# Altium PCB C210_220601.PcbDoc (part 4 of 7) (continued)
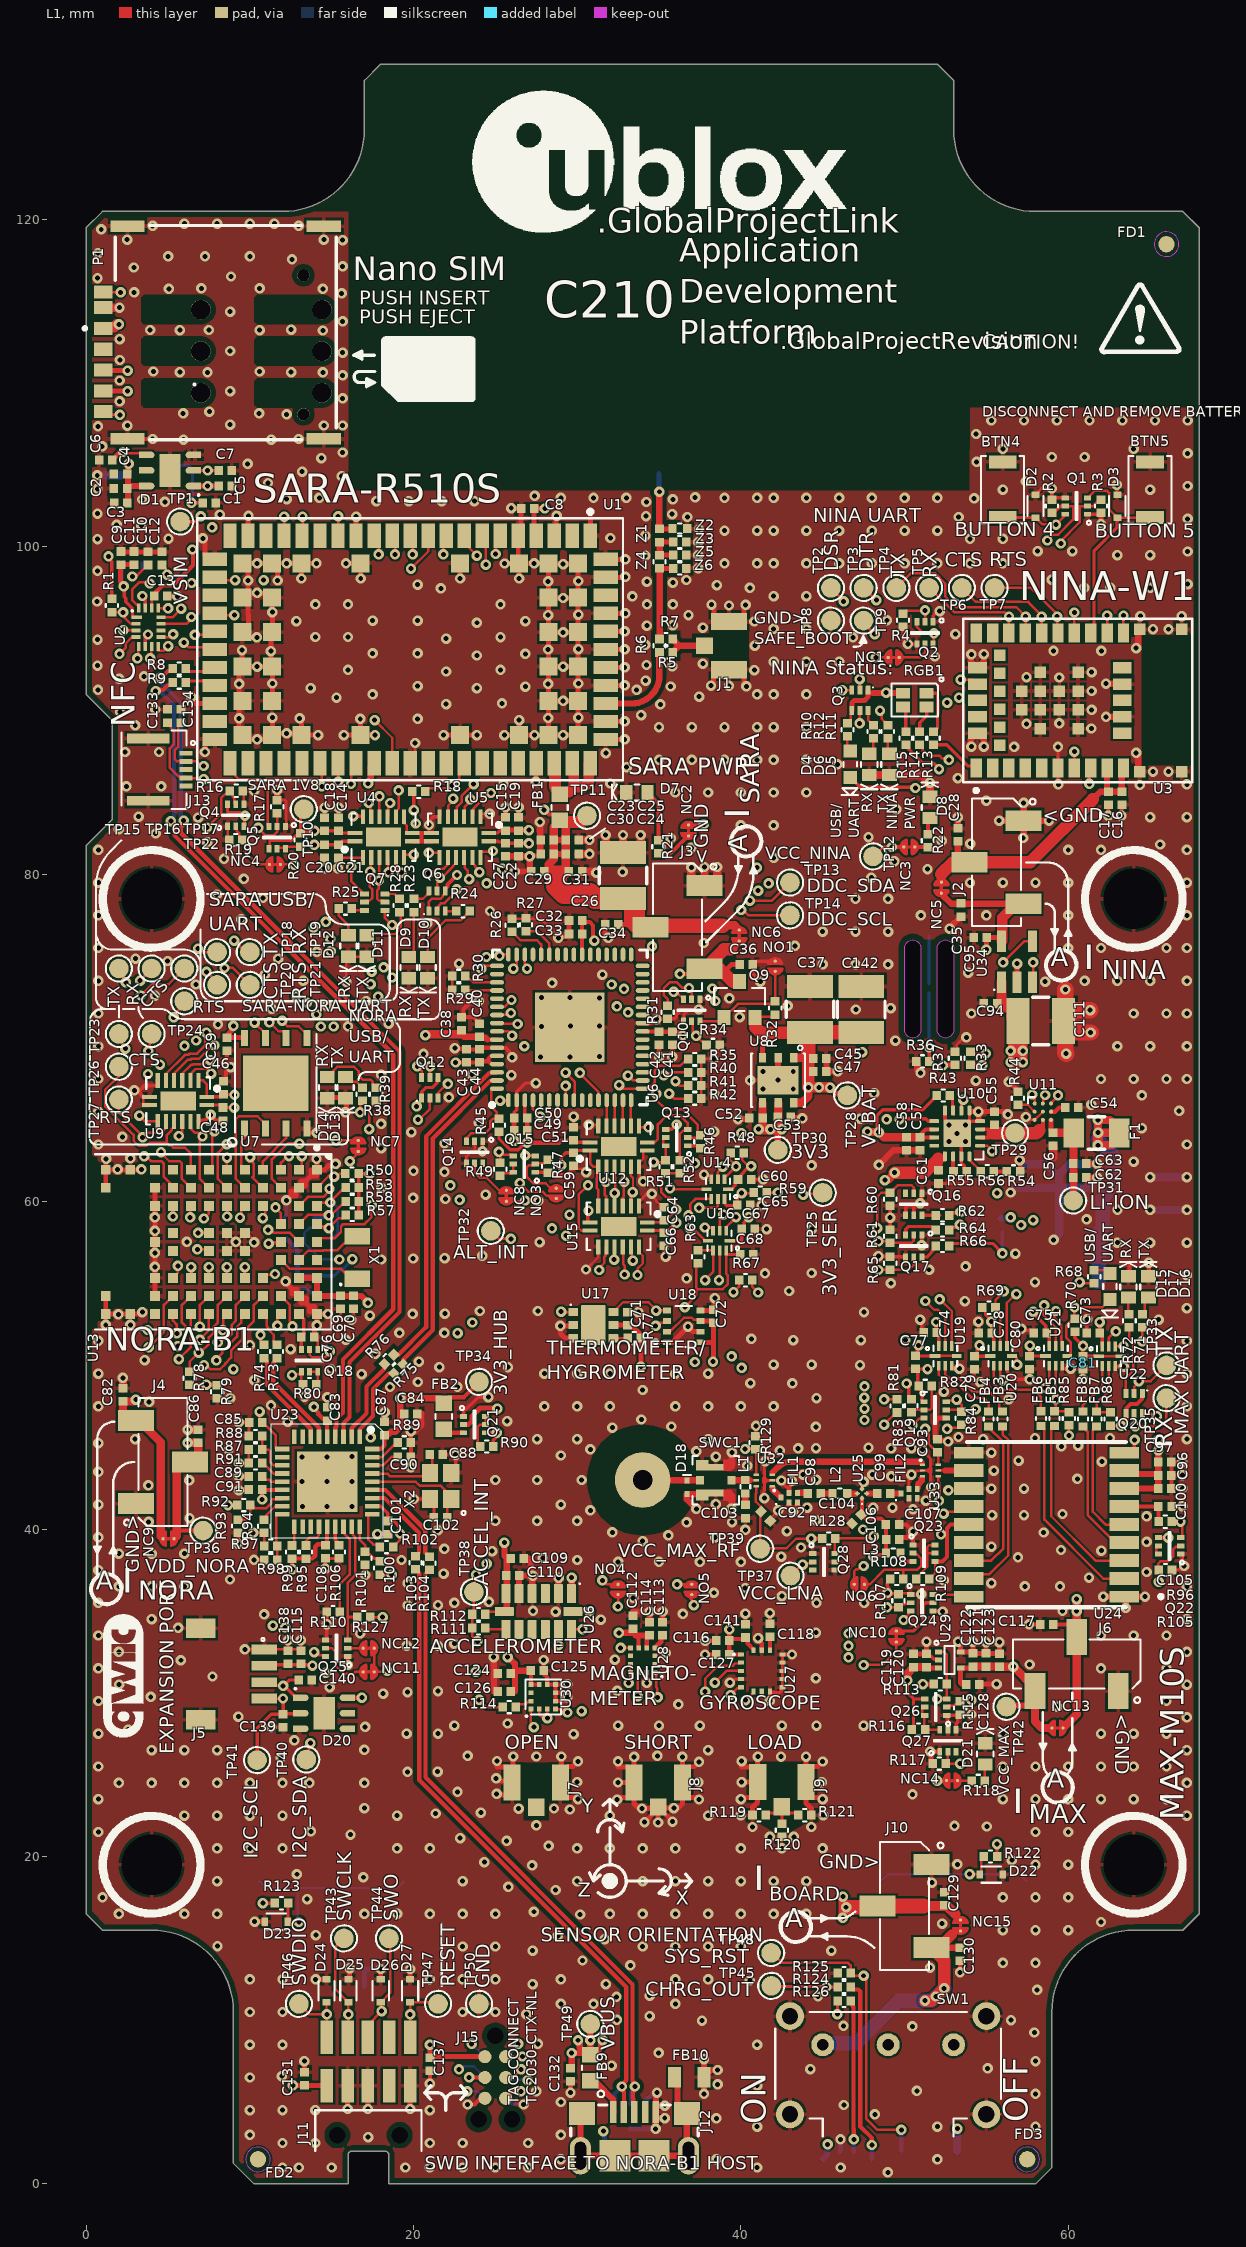
[diagram p0: L1 view]
## Nets (pads, with @x,y where several pads share a name; then routed paths per layer and width w, separated by ;. In a path a pad name is that pad's centre, name@x,y a point inside that pad or via, vN(x,y) a via of type N, cw(c..) or ccw(c..) an arc to the next point about the centre after c; other vN are vias at no path point) (continued)
  L1 w0.381: R17.1@11.672,84.525 v1(11.672,85.154) ; C87.2@18.239,46.548 v1(18.239,47.151) ; v1(19.836,45.982) 20.082,45.982 20.489,46.389 C84.2@20.489,47.047 ; C126.2@24.896,30.075 v1(24.896,32.175) ; C27.2@25.622,81.1 C22.1@26.422,81.1 v1(27.097,81.1) C29.2@27.097,80.397 ; v1(26.197,80.175) 26.875,80.175 ; U26.5@26.45,36.065 26.45,37.142 C110.2@26.475,37.167 v1@27.283,37.167 ; C109.2@27,38.217 27.15,38.067 27.15,37.3 v1@27.283,37.167 ; U26.4@27.25,36.065 27.25,37.1 v1(27.3,37.15) v1@27.283,37.167 ; C30.2@27.75,81.25 v1@27.75,83.172 ; U26.2@28.85,36.065 28.85,37.008 v1(28.871,37.029) ; C112.1@33.419,34.967 v1(34.425,34.967) ; C114.1@34.415,34.309 34.425,34.319 v1(34.425,34.967) ; v1@34.8,3.372 J12.5@34.8,4.395 J12.5@34.8,4.775 ; J12.5@34.825,4 34.841,4.016 v1(35.35,4.016) ; v1(34.875,5.571) 34.875,5.502 34.81,5.437 34.81,4.784 J12.5@34.8,4.775 ; C113.1@35.219,34.309 v1(35.219,34.967) v1(34.425,34.967) ; v1(35.35,4.775) J12.5@34.8,4.775 ; v1(37.275,41.242) 36.7,41.817 D18.2@36.7,42.134 37.583,42.134 SWC1.G@37.645,42.072 ; v1(37.75,5.495) FB10.2@37.75,6.525 ; v1(37.75,7.625) FB10.2@37.75,6.525 ; v1(38.58,6.96) 38.185,6.96 FB10.2@37.75,6.525 ; v1(39.825,65.051) 40.451,65.051 C52.2@40.525,65.125 ; v1(42.275,67.425) U8.2@42.275,68.8 ; C53.1@43.057,65.173 43.131,65.099 v1(43.757,65.099) ; C47.2@45.225,67.961 C47.2@45.235,67.971 ; C45.1@45.225,68.764 45.225,67.981 C47.2@45.235,67.971 ; v1(45.911,67.971) C47.2@45.235,67.971 ; v1(48.432,62.25) 48.45,62.25 48.45,62.268 49.322,63.14 C57.2@50.94,63.14 ; R36.1@50.7,68.575 50.772,68.503 50.772,68.072 v1(50.972,67.871) ; v1(52.75,76.68) 52.799,76.728 52.799,76.799 53.421,77.421 C35.2@53.436,77.421 ; C28.2@53.25,82.825 v1(53.25,83.5) ; v1(54.075,87.8) 54.05,87.825 54.05,88.225 U3.30@54.45,88.625 54.847,88.228 v1(54.847,87.8) ; v1(54.078,93.447) 54.05,93.418 54.05,93.025 U3.26@54.45,92.625 54.847,93.022 v1(54.847,93.45) ; v1(55.775,83.281) J2.1@57.275,83.281 ; v1(57.25,82.225) 57.275,82.25 J2.1@57.275,83.281 ; v1(57.275,84.375) J2.1@57.275,83.281 ; v1(58.825,83.281) J2.1@57.275,83.281 ; C62.1@61.1,61.475 61.764,61.475 v1(61.769,61.48) ; C63.2@61.1,62.325 v1(61.762,62.325) ; v1(62.138,35.879) v1(64.688,35.879) ; v1(62.309,89.625) U3.12@63.3,89.625 ; v1(62.309,91.652) 63.273,91.652 U3.14@63.3,91.625 ; U24.1@63.413,35.879 63.513,35.779 v1(63.513,35.179) ; v1(64.15,87.425) 64.275,87.3 64.275,86.375 U3.EG@64.375,86.275 ; v1(64.15,93.825) 64.275,93.95 64.275,94.875 U3.EG@64.375,94.975
  L1 w0.391: v1@39.45,41.145 39.45,42.031 ; 39.45,43.802 39.45,44.685 v1(39.452,44.687)
  L1 w0.508: P1.C5@1.045,114.62 v1(2.042,114.62) ; C82.2@2.25,48.6 v1(2.25,49.246) ; v1(6.2,46.075) C86.2@6.85,46.075 ; C24.2@30.1,81.25 v1(30.75,81.25) ; C25.1@30.1,82.1 v1(30.75,82.1) ; C31.2@30.297,80.175 31.1,80.175 v1(31.175,80.1) ; v1(31.738,82.404) 31.738,81.716 32.124,81.33 C26.1@32.797,81.33 ; v1(32.797,82.404) C26.1@32.797,81.33 ; v1(33.875,82.404) 33.875,81.848 33.357,81.33 C26.1@32.797,81.33 ; v1(36.975,80.425) 36.975,79.648 37.308,79.315 J3.1@37.775,79.315 ; v1(37.775,80.45) J3.1@37.775,79.315 ; v1(38.55,80.45) 38.55,79.508 38.575,79.483 38.407,79.315 J3.1@37.775,79.315 ; D6.C@47.825,86.075 48.95,86.075 D5.C@48.975,86.1 ; D5.C@48.975,86.075 51.075,86.075 v1(51.55,85.6) D8.C@51.55,84.75 ; 59.075,62.7 C56.1@59.075,63.425
  L1 w1: v1(59.825,72.965) C111.2@59.825,71.143 ; v1(59.871,69.047) 59.825,69.093 C111.2@59.825,70.933 ; v1(61.338,71.702) 60.384,71.702 C111.2@59.825,71.143 ; v1(61.364,70.337) 60.421,70.337 C111.2@59.825,70.933 ; C111.2@59.825,70.933 C111.2@59.825,71.143 ; C111.2@59.825,70.933 C111.2@59.72,71.038 C111.2@59.825,71.143
  L6 w0.15: ESIM.EPAD@4.025,101.7 5.035,100.69 v1(5.035,100.505)
  L6 w0.203: U31.3@12.1,59.05 12.231,59.181 v1(12.231,60.081) ; v1(12.185,55.132) 12.185,55.11 12.57,54.725 C136.2@12.95,54.725 13.475,54.725 C135.2@14.025,54.175 ; D29.2@46.05,1.95 D29.2@46.1,1.9 ; RT1.2@51.493,73.325 51.493,76.259
  L6 w0.254: J17.5@25.63,5.25 25.684,5.25 26.009,4.925 26.65,4.925 v1(26.725,4.85)
  L6 w0.305: v1(16.096,13.175) 16.915,13.175 17,13.09 17,13.05 ; 17,12.05 17,13.05 ; v1(18,13.125) 17.075,13.125 17,13.05 ; D28.EPAD@33.225,3.375 33.234,3.366 v1(34.794,3.366) ; D28.3@34.175,4.525 D28.3@34.175,4.9 34.175,5.075 34.608,5.508 34.812,5.508 v1(34.875,5.571) ; D29.2@46.05,1.95 46.084,1.984 v1(46.084,2.725)
  L6 w0.508: v1(0.681,104.375) ESIM.1@2.12,104.375 ; v1(56.485,60.567) 56.769,60.85 J14.MH1@59.45,60.85 ; v1(57.029,62.541) 57.27,62.3 58.643,62.3 59.45,61.493 J14.MH1@59.45,60.85 ; v1(59.113,57.671) 59.45,58.008 J14.MH1@59.45,60.85 ; v1(61.762,62.325) 61.737,62.3 60.043,62.3 59.45,61.707 J14.MH1@59.45,60.85 ; v1(61.769,61.48) 61.139,60.85 J14.MH1@59.45,60.85 ; v1(65,59.5) v1(67.25,59.5) ; v1(65,61.5) v1(67.25,61.5)
  other v1: 48.975,0.7 12,1 13,1 15,1 19.5,1 21,1 23,1 25,1 27,1 41,1 46.1,1 29,1.5 38.5,1.5 52,1.5 12,2.5 14,2.5 21,2.5 23,2.5 27,2.5 17.225,2.85 10,3 29,3 41,3.5 52,3.5 58,3.5 38.5,4 48.183,4.252 10,4.5 12,4.5 14,4.5 21,4.5 46.291,4.82 29,5 58,5.5 27.503,5.655 50.75,5.689 41,6 38.58,6.075 10,6.5 11.961,6.578 44.25,7.009 55.075,7.062 32.1,7.225 58,7.5 34.975,8 10,8.5 12,8.5 41,8.5 27.6,8.55 57.928,9.25 50.48,9.623 46.269,9.65 37.625,9.975 56.5,10 32.425,10.025 34.425,10.25 26.9,10.375 10,10.5 12,10.5 23,10.5 25,10.5 29,11 31,11 36,11 32.4,11.425 44.713,11.446 34.425,11.5 58.1,11.85 27.275,12.2 31.752,12.2 40.55,12.425 10,12.5 12,12.5 21,12.5 23,12.5 25,12.5 29,12.5 36,12.5 38,12.5 51.556,13.216 33.25,13.35 56,13.5 58,13.5 30.325,13.65 27.275,14.25 45.525,14.25 23,14.5 25,14.5 34,14.5 36,14.5 38,14.5 40,14.5 8.025,14.525 31.686,14.955 28.825,15.15 14.03,15.2 56,15.5 58,15.5 60,15.5 52.3,15.9 62,16 30.186,16.455 2,16.5 6,16.5 8,16.5 17,16.5 19,16.5 21,16.5 23,16.5 25,16.5 32,16.5 34,16.5 36,16.5 38,16.5 40,16.5 42,16.5 44,16.5 27.35,16.625 13.5,17.394 1,17.5 56,17.5 58,17.5 60,17.5 28.686,17.955 25.799,18.151 51.675,18.4 8,18.5 23,18.5 30,18.5 32,18.5 34,18.5 36,18.5 38,18.5 40,18.5 42,18.5 44,18.5 16.933,18.733 12.875,18.916 27.254,19.455 58,19.5 60,19.5 53.225,19.525 24.325,19.65 56.55,19.779 8,20.5 10,20.5 12,20.5 19,20.5 21,20.5 30,20.5 32,20.5 34,20.5 36,20.5 40,20.5 42.5,20.5 45,20.5 28.254,20.65 25.686,20.955 22.85,21.125 41.775,21.201 43.242,21.201 16.152,21.332 0.75,21.5 58,21.5 60,21.5 13.727,21.54 40.71,21.8 44.305,21.8 55.025,21.834 27.503,21.9 6,22.5 8,22.5 10,22.5 12,22.5 19,22.5 32,22.5 38,22.5 67.25,22.5 40,22.526 45.035,22.526 21.356,22.625 24.114,22.685 29.55,22.875 26.425,22.925 28.585,22.935 17,22.957 0.75,23.5 56,23.5 58,23.5 60,23.5 62,23.5 64,23.5 66,23.5 50.485,23.8 22.686,23.955 2,24.5 4,24.5 6,24.5 8,24.5 10,24.5 12,24.5 13.638,24.5 17,24.5 67.25,24.5 37.395,24.527 44.95,24.543 30.003,24.55 19.631,25.17 21.475,25.183 0.75,25.5 56,25.5 58,25.5 60,25.5 62,25.5 64,25.5 66,25.5 11.9,26.025 27.503,26.109 42.45,26.102 23.314,26.145 34.898,26.145 4,26.5 6,26.5 8,26.5 38,26.5 67.25,26.5 17,26.517 12.72,27.1 29.79,27.475 0.75,27.5 19.585,27.5 21.499,27.5 56,27.5 62,27.5 64,27.5 66,27.5 2.573,27.756 11.302,27.9 17.05,27.925 22.5,28 32.5,28 35,28 37.5,28 42.5,28 44.619,28 47.502,28 25.75,28.125 67.25,28.5 9.301,28.542 59.323,29.15 36.175,29.3 0.75,29.5 66,29.5 3.949,29.75 18.147,29.95 19.631,30.036 21.5,30.1 32.45,30.125 14.882,30.34 2.024,30.509 67.25,30.5 44.577,30.89 7.72,30.995 0.75,31.5 62,31.5 66,31.5 57.643,31.731 5.791,31.989 32.3,32.025 35.428,32.434 2,32.5 67.25,32.5 19.585,32.869 21.5,32.869 22.5,33 0.75,33.5 62,33.5 64,33.5 66,33.5 16.746,33.627 44.585,33.678 5.617,33.974 31.45,34.475 4,34.5 67.25,34.5 10.875,34.789 36.45,34.825 28.686,34.953 27.3,35.009 54.05,35 59.648,35.004 19.631,35.353 21.5,35.357 0.75,35.5 22.5,35.5 44.619,35.5 47.526,35.5 24.608,35.559 33.425,35.8 42.5,35.9 51.025,36.025 38.355,36.113 40.266,36.404 2,36.5 4,36.5 6,36.5 57.35,36.5 59.498,36.5 67.25,36.5 19.631,36.693 55.3,36.7 52.395,36.868 8.788,36.925 61.265,37.041 17.05,37.197 21.84,37.275 64.791,37.381 0.75,37.5 32.5,38 35,38 37.5,38 40,38 19.265,38.116 30.004,38.116 27.9,38.234 56.929,38.275 42.467,38.322 2,38.5 4,38.5 6,38.5 24.809,38.65 62.017,38.689 59.555,38.725 21.883,38.8 43.676,38.879 55.3,38.925 64.791,39.221 34,39.261 0.75,39.5 38.425,39.5 35.575,39.619 32.148,39.802 58.501,39.791 42.813,39.876 21.475,39.925 40.275,39.961 47.464,39.976 36.682,40.41 39.456,40.426 3.825,40.45 25,40.5 27.558,40.5 30,40.5 44.6,40.552 6.315,40.673 64.791,40.775 55.354,40.854 57.296,40.854 59.646,40.925 30.802,41.148 50.513,41.214 39.419,41.242 48.086,41.309 49.262,41.309 14.729,41.378 0.75,41.5 29,41.5 38.475,41.525 51.305,41.737 52.675,42.375 55.3,42.475 57.296,42.475 3.8,42.675 13.2,42.897 16.25,42.921 6.3,42.975 25,43 27.558,43 30.275,43 44.6,43.025 60.559,43.075 49.187,43.222 43.8,43.333 48.027,43.333 0.75,43.5 55.45,43.575 40.379,43.862 62.05,44.125 41.492,44.148 56.968,44.179 14.725,44.417 38.47,44.431 29,44.5 55.3,44.675 37.275,44.75 42.378,44.79 8.7,44.85 30.802,44.869 43.505,44.933 44.59,44.943 49.178,44.933 50.42,44.943 47.8,44.975 59.575,45.058 60.607,45.1 0.75,45.25 3,45.5 27.558,45.5 30,45.5 38,45.5 54.8,45.5 67.25,45.5 57.968,45.568 62.55,45.568 53.298,45.631 32.148,46.198 44.575,46.25 35.75,46.272 12.31,46.554 25.725,46.6 33.925,46.698 0.75,47.5 28,47.5 30,47.5 32,47.5 36,47.5 38,47.5 40,47.5 42,47.5 67.25,47.5 11.296,47.563 3.85,47.775 56.373,47.929 44.619,48 13.339,48.092 52.4,48.4 34,48.5 18.566,48.685 22.686,48.686 43.141,48.901 40.576,48.917 20.262,48.991 10.281,49.097 16.83,49.474 0.75,49.5 28,49.5 30,49.5 32,49.5 36,49.5 38,49.5 67.25,49.5 14.961,49.776 21.575,49.9 25.775,49.9 47.279,50.017 42,50.05 44.325,50.05 20.331,50.236 3.575,50.325 17.654,50.703 12.5,50.992 10,51.245 0.75,51.5 67.25,51.5 43.2,51.54 47.336,51.541 15.855,51.57 40.645,51.619 19.139,51.993 21.883,51.987 2.7,52.475 65.525,52.797 17.331,53.038 1.975,53.125 19.945,53.15 21.921,53.162 47.52,53.25 24.05,53.325 27.6,53.325 67.25,53.5 53.688,53.93 42.95,54.55 49.164,55.021 57.968,55.085 36.682,55.321 67.25,55.5 41.475,55.625 44.325,55.65 51.504,55.846 4.204,56.025 53.729,56.058 18.025,56.475 19.975,56.536 21.903,56.556 24.204,56.69 56.772,56.824 4.204,56.875 63,57.5 65,57.5 67.25,57.5 27.702,57.529 6.15,57.55 4.204,58.225 41.575,58.325 44.333,58.321 61.129,58.925 49.125,59.029 4.204,59.05 63.012,59.5 41.275,59.775 27.627,60.052 21.95,60.169 19.979,60.234 24.403,60.437 18.025,60.852 21.891,61.831 30.547,61.814 19.998,61.883 1.925,61.975 44.329,62.221 64,62.45 2.7,62.65 18.022,63.276 0.75,63.5 67.25,63.5 21.898,63.56 52.725,63.675 53.725,63.675 2.215,63.96 19.873,64.25 38.373,64.281 64.5,64.5 18.026,64.759 23.992,64.817 47.304,65.074 29.788,65.201 0.734,65.488 66.775,65.55 61.416,65.925 22.156,66.378 64.5,66.5 38.388,66.614 48.142,66.621 41.35,66.875 43.2,66.875 40.562,67.421 54.353,67.404 0.75,67.5 62,67.5 64,67.5 66,67.5 67.25,67.5 18.025,67.752 25.976,67.739 23.568,67.766 41.35,67.961 43.2,67.961 27.75,68.85 29.55,68.85 31.35,68.864 20.609,69.035 0.75,69.5 63,69.5 65,69.5 67.25,69.5 49.437,69.843 15.999,70.721 27.821,70.719 29.595,70.724 31.358,70.724 8.06,70.84 18.48,70.878 39.928,71.272 0.75,71.5 54.075,71.5 64,71.5 66,71.5 67.25,71.5 47.029,71.748 11.337,71.79 49.155,71.828 14.699,71.967 42.86,71.972 17.108,72.25 39.295,72.421 27.821,72.465 29.575,72.465 31.358,72.458 4.206,72.596 6.706,73.271 28.475,73.375 58.588,73.45 0.75,73.5 13.257,73.501 61,73.5 63,73.5 65,73.5 67.25,73.5 10.924,73.87 31.539,73.87 53.887,74 45,74.5 47,74.5 49,74.5 22.781,74.545 4.984,74.708 3.015,74.849 11.735,74.85 14.091,75.266 0.75,75.5 60,75.5 62,75.5 66,75.5 67.25,75.5 43.3,75.631 37.744,75.809 45,76.5 47,76.5 49,76.5 20.85,77.005 9.475,77.25 0.75,77.5 51,77.5 55,77.5 60,77.5 67.25,77.5 24.672,77.762 47,78.5 49,78.5 10.804,78.554 7.979,78.76 0.75,79.5 54,79.5 56,79.5 58,79.5 60,79.5 67.25,79.5 9.636,79.722 47.975,79.8 32.775,80.15 51.4,80.325 49.375,80.8 8.425,80.952 42,81 0.75,81.5 60,81.5 62,81.5 67.25,81.5 36.975,81.625 65.619,81.827 54.025,81.875 7.402,81.971 52.275,82.05 35.725,82.2 47.799,82.279 4.248,82.5 2.004,82.759 40,83 42,83 6.848,83.467 65,83.5 67.25,83.5 3.211,83.525 49.495,83.977 55,84.5 36,85 38,85 40,85 42,85 44,85 10.265,85.106 2.463,85.377 4.59,85.377 64.375,85.462 25.5,85.5 67.25,85.5 32.022,85.55 53.259,85.883 65.175,86.275 66.122,86.275 33.022,86.55 45.9,86.725 35,87 37,87 39,87 41,87 42,87 44,87 31.75,87.4 2.379,87.475 4.451,87.477 56.7,87.796 10.454,88.25 61.416,88.913 35,89 37,89 39,89 41,89 42,89 44,89 3.002,89.101 57.45,89.2 59.45,89.225 20.25,89.5 28.222,89.55 30.075,89.575 33.905,89.725 2.085,89.926 61.425,90.05 4.225,90.072 35.078,90.385 21.997,90.397 25.408,90.447 15.296,90.8 6.426,90.825 37.456,90.854 17.5,91 41,91 42,91 44,91 61.425,91.2 33.638,91.273 0.725,91.275 13.722,91.375 23.872,91.372 26.832,91.472 20.25,91.5 35.708,91.481 39.275,91.515 28.222,91.636 11.375,91.661 30.075,91.661 34.187,91.84 2.019,91.95 59.45,92.025 57.45,92.05 3.538,92.1 61.425,92.35 21.997,92.397 40.82,92.477 16,92.5 25.315,92.497 35.803,92.711 0.698,92.752 34.235,92.791 37.681,92.879 42,93 44,93 46,93 51.85,93.307 23.872,93.372 26.832,93.472 17.5,93.5 20.25,93.5 59.1,93.65 62.025,93.65 9.522,93.7 28.222,93.736 30.075,93.761 40.85,93.975 34.157,94.027 0.698,94.341 21.997,94.397 46.85,94.475 14,94.5 16,94.5 25.315,94.497 53.1,94.675 66.122,94.975 42,95 44,95 65.175,94.986 37.681,95.071 34.262,95.199 35.842,95.231 23.872,95.372 40.82,95.45 12.844,95.472 26.832,95.472 17.5,95.5 20.25,95.5 48.925,95.525 64.404,95.778 66.925,95.778 28.222,95.836 36.8,95.836 30.075,95.861 39.275,96.425 14,96.5 16,96.5 25.315,96.497 34.269,96.498 35.842,96.498 0.673,96.672 33.373,96.982 42,97 44,97 21.675,97.475 40.546,97.5 60.975,97.5 62.575,97.5 65,97.5 38.532,97.675 20.25,97.7 67.3,97.725 35.846,97.823 28.222,97.9 34.252,97.887 30.075,97.925 9.9,97.95 36.672,97.982 59,98 0.698,98.539 37.388,98.695 39,99 41,99 42,99 44,99 46,99 48,99 50,99 52,99 54,99 56,99 34.157,99.457 37.388,99.503 63,99.5 65,99.5 67.3,99.725 58.125,99.75 60.253,99.742 37.398,100.3 0.698,100.475 54,100.5 56,100.5 32.022,100.55 34.166,100.697 39,101 41,101 42,101 44,101 46,101 48,101 50,101 52,101 37.443,101.097 3.372,101.303 1.869,101.35 67.3,101.725 36.727,101.833 53.3,101.832 16.5,101.853 34.204,101.879 8.17,101.973 35.803,102.006 0.698,102.037 34.231,102.75 4.805,102.757 17.726,102.804 19.722,102.8 21.722,102.8 23.722,102.8 3.425,102.9 12.247,102.92 35.846,102.912 54.252,102.975 14.25,103 29,103 31,103 33,103 39,103 41,103 42,103 44,103 46,103 48,103 50,103 52,103 37.209,103.037 27.4,103.125 56,103.5 65,103.5 0.698,103.55 67.3,103.725 11.113,103.909 57.4,104 15.613,104.325 13.2,104.6 9.869,105.079 54.402,105.203 14.375,105.423 59,105.5 61,105.5 67.3,105.725 15.672,105.774 56,106 64,106 0.975,106.143 5.949,106.555 11.3,106.555 12.982,106.6 54.378,106.9 0.725,107.375 2.524,107.413 14.524,107.425 15.675,107.425 8.8,107.471 55.3,107.725 57.3,107.725 59.3,107.725 61.3,107.725 63.3,107.725 65.3,107.725 67.3,107.725 12.247,108.1 5.93,108.163 10.575,108.163 7.527,108.27 2.05,108.898 15.675,109.081 8.8,109.525 2.05,110.168 15.675,110.49 7.417,110.675 14.465,110.675 5.723,110.687 12.52,110.687 4.109,110.723 10.598,110.723 2.058,111.422 15.675,111.871 8.8,111.972 2.05,112.693 5.723,113.244 10.598,113.244 14.465,113.225 3.909,113.255 7.5,113.255 12.52,113.28 15.672,113.78 8.8,114.382 15.613,115.5 2.935,115.562 5.052,115.775 14.465,115.775 7.036,115.798 10.598,115.798 0.698,116.425 8.854,116.525 2.915,117.075 15.672,117.14 12.575,117.575 5.012,117.75 7.262,117.75 10,117.75 0.725,117.95 15.675,118.75 2.506,118.775 14.525,118.775 0.925,119.4 4.062,119.622 12.982,119.622 6,119.75 8,119.75 10,119.75 11.5,119.75
LED_BLUE: Q17.2 R61.2 U13.E7 | length 44.8
  L1 w0.152: U13.E7@9.7,55.35 v1(9.7,56) ; v1(48.404,57.575) 49.05,57.575 R61.2@49.125,57.5 ; R61.2@49.2,57.5 50.438,57.5 50.563,57.625 Q17.2@50.563,57.97
  L4 w0.152: v1(9.7,56) 9.945,56.245 11.62,56.245 12.72,57.345 17.151,57.345 17.491,57.685 24.793,57.685 25.598,56.88 25.833,56.645 29.25,56.645 29.485,56.88 29.94,57.336 33.668,57.336 34.537,56.466 34.537,56.304 35.05,55.791 35.835,55.791 36.58,56.536 47.365,56.536 v1(48.404,57.575)
LED_GREEN: Q17.5 R65.2 U13.D7 | length 43.2
  L1 w0.152: U13.D7@10.8,55.35 10.976,55.526 11.481,55.526 v1(11.541,55.586) ; v1(48.404,55.833) 49.108,55.833 R65.2@49.125,55.85 50.288,55.85 50.563,56.125 Q17.5@50.563,56.62
  L4 w0.152: v1(11.541,55.586) 11.541,55.716 12.865,57.04 17.277,57.04 17.617,57.38 24.667,57.38 25.472,56.575 25.707,56.34 29.376,56.34 29.611,56.575 30.067,57.031 33.541,57.031 34.233,56.34 34.233,56.177 34.924,55.486 35.961,55.486 36.7,56.225 48.012,56.225 v1(48.404,55.833)
LED_RED: Q16.2 R60.2 U13.F7 | length 48.4
  L1 w0.152: U13.F7@8.6,55.35 v1(8.6,56) ; v1(48.32,58.389) 48.325,58.394 48.325,60.3 48.575,60.55 R60.2@49.125,60.55 49.15,60.575 49.573,60.998 50.44,60.998 50.563,60.875 Q16.2@50.563,60.525
  L4 w0.152: v1(8.6,56) 9.17,56.57 11.514,56.57 12.594,57.65 17.025,57.65 17.365,57.99 24.919,57.99 25.959,56.95 29.124,56.95 29.814,57.64 33.794,57.64 34.842,56.592 34.842,56.43 35.176,56.096 35.708,56.096 36.458,56.845 46.777,56.845 v1(48.32,58.389)
MAX_RXD: FB5.1 Q20.5 R85.2 TP35.1 U20.3 U21.3 | length 18.2
  L1 w0.152: U20.3@55.856,49.979 55.856,49.38 56.002,49.234 v1(56.002,49.103) ; U21.3@59.238,49.979 59.238,47.279 FB5.1@59.163,47.204 59.988,47.204 R85.2@60.038,47.154 ; Q20.5@64.025,47.05 64.025,46.354 v1(64.1,46.279) 65.579,46.279 65.975,46.675 65.975,47.975 TP35.1@66,48
  L4 w0.152: v1(56.002,49.103) 56.039,49.103 57.213,47.929 v1(59.238,47.929) 62.575,47.929 64.1,46.404 v1(64.1,46.279)
MAX_SCL: FB3.2 U24.17 | length 11
  L1 w0.152: U24.17@53.913,36.979 54.188,37.254 55.188,37.254 56.338,38.404 56.338,45.443 55.988,45.793 FB3.2@55.988,46.279
MAX_SDA: FB4.2 U24.16 | length 10.3
  L1 w0.152: U24.16@53.913,38.079 55.288,38.079 56.033,38.824 56.033,45.317 55.138,46.212 FB4.2@55.138,46.279
MAX_TXD: FB6.1 Q20.2 TP33.1 U20.2 U21.2 | length 16.1
  L1 w0.152: U20.2@55.456,49.979 55.456,48.862 55.788,48.529 57.875,48.529 58.202,48.202 ; FB6.1@58.332,47.204 58.332,48.073 58.202,48.202 ; U21.2@58.838,49.979 58.838,48.838 58.625,48.625 v1(58.595,48.625) 58.595,48.595 58.202,48.202 ; Q20.2@64.025,48.3 64.025,48.675 64.325,48.975 64.315,48.985 v1(64.315,49.039) 65.039,49.039 TP33.1@66,50
  L4 w0.152: v1(58.595,48.625) 63.696,48.625 64.046,48.975 64.315,48.975 v1(64.315,49.039)
MFF2_CLK: C12.1 ESIM.6 U2.9 | length 6.7
  L1 w0.152: U2.9@4.586,94.5 5.107,94.5 5.276,94.669 v1(5.315,94.669) ; C12.1@4.625,98.9 4.861,98.664 4.861,98.403 v1(4.953,98.311)
  L4 w0.152: v1(4.953,98.311) 4.92,98.277 4.92,97.288 4.265,96.633 4.265,95.72 v1(5.315,94.669)
  L6 w0.152: ESIM.6@4.66,99.025 4.834,98.851 4.834,98.561 4.953,98.442 v1(4.953,98.311)
MFF2_IO: C1.1 ESIM.3 U2.13 | length 12.7
  L1 w0.152: U2.13@4.411,96.275 4.431,96.255 v1(5.012,96.255)
  L1 w0.203: v1(6.426,102.7) C1.1@7.127,102.7
  L3 w0.152: v1@4.942,96.325 v1(5.012,96.255) ; v1@5.012,96.325 5.012,97.413 5.65,98.051 5.65,101.924 v1(6.426,102.7) v1@6.437,102.711
  L6 w0.203: ESIM.3@4.66,104.375 4.66,104.45 5.198,104.988 6.258,104.988 6.496,104.75 6.496,102.77 v1(6.426,102.7)
MFF2_RST: C10.1 ESIM.7 U2.5 | length 8.4
  L1 w0.152: v1(2.829,98.195) 2.922,98.287 3.147,98.287 3.76,98.9 C10.1@3.775,98.9 ; v1(3.127,93.196) 3.177,93.246 3.177,93.891 U2.5@3.211,93.925
  L5 w0.152: v1(2.829,98.195) 2.89,98.134 2.89,97.649 2.966,97.573 2.966,97.314 2.885,97.233 2.885,95.389 3.127,95.147 v1(3.127,93.196)
  L6 w0.152: v1(2.829,98.195) 2.96,98.195 3.172,98.408 3.281,98.408 3.39,98.517 ESIM.7@3.39,99.025
MFF2_VSIM: C9.1 C11.1 ESIM.8 U2.1 | length 6.2
  L1 w0.203: C9.1@2.042,98.842 C9.1@2.125,98.925 ; v1(2.298,97.592) 2.323,97.566 2.323,96.969 2.425,96.868 2.425,96.65 2.836,96.239 2.836,95.7 U2.1@3.086,95.7
  L1 w0.305: v1(2.298,97.592) 2.298,97.681 2.099,97.88 2.099,98.899 C9.1@2.125,98.925 C11.1@2.925,98.925
  L6 w0.305: ESIM.8@2.12,99.025 2.12,97.859 2.298,97.681 v1(2.298,97.592)
N\I\N\A\_\C\O\M\_\C\T\R\L\: Q13.5 Q13.6 R51.2 U14.5 U15.9 | length 14.8
  L1 w0.152: v1(30.662,61.004) 30.089,60.431 30.089,58.404 30.251,58.242 U15.9@30.786,58.242 ; v1(34.675,62.425) 35.285,62.425 R51.2@35.401,62.54 ; R51.2@35.401,62.54 Q13.6@35.4,63.423 35.25,63.573 35.25,63.875 35.352,63.875 Q13.5@35.4,63.923 ; v1(35.669,60.823) 35.699,60.823 35.746,60.775 36.843,60.775 U14.5@37.9,60.775
  L3 w0.152: v1(34.675,62.425) 34.675,61.846 35.669,60.852 v1(35.669,60.823)
  L4 w0.152: v1(30.662,61.004) 30.68,61.004 32.101,62.425 v1(34.675,62.425)
NANO_CLK: C6.1 D1.4 P1.C3 U2.7 | length 21.7
  L1 w0.152: P1.C3@1.045,108.27 1.24,108.075 v1(2.058,108.075) ; v1(2.251,105.805) 2.331,105.725 3.3,105.725 3.4,105.625 D1.4@3.6,105.625 D1.4@3.975,105.625 ; v1(3.915,93.196) 3.977,93.259 3.977,93.891 U2.7@4.011,93.925
  L1 w0.305: C6.1@1.6,105.3 1.6,105.315 2.027,105.742 2.187,105.742 v1(2.251,105.805)
  L4 w0.152: v1@2.058,107.944 v1(2.058,108.075) ; v1(2.251,105.805) 2.251,105.736 1.875,105.36 1.875,104.829 2.431,104.273 2.431,98.906 1.725,98.2 1.725,94.727 1.864,94.589 2.298,94.154 2.956,94.154 v1(3.915,93.196)
  L4 w0.381: v1@2.058,107.944 1.875,107.762 1.875,106.188 v1@2.289,105.774
NANO_IO: C5.1 D1.1 P1.C7 U2.11 | length 22.9
  L1 w0.152: P1.C7@1.045,109.54 P1.C7@1.06,109.525 ; U2.11@4.586,95.3 6.136,95.3 6.38,95.544 6.38,95.675 v1(6.426,95.721)
  L1 w0.305: P1.C7@1.06,109.525 v1(2.538,109.525) ; D1.1@6.65,103.725 v1(7.425,103.725) C5.1@8.1,103.725
  L3 w0.305: v1(2.538,109.525) 4.725,107.338 4.725,105.9 6.9,103.725 v1(7.425,103.725)
  L4 w0.152: v1(6.426,95.721) 6.366,95.721 6.366,96.456 6.121,96.7 6.121,97.229 5.555,97.795 5.555,102.755 6.525,103.725 v1(7.425,103.725)
NANO_RST: C7.1 D1.2 P1.C2 U2.3 | length 25.2
  L1 w0.152: P1.C2@1.045,110.81 P1.C2@1.08,110.775 ; v1(2.266,94.923) 2.289,94.9 U2.3@3.036,94.9
  L1 w0.203: D1.2@6.65,104.675 v1(7.425,104.675) C7.1@8.1,104.675
  L1 w0.305: P1.C2@1.08,110.775 v1(2.538,110.775)
  L3 w0.305: v1(2.538,110.775) 5.322,107.991 5.322,106.074 6.721,104.675 v1(7.425,104.675)
  L4 w0.152: v1(2.266,94.923) 2.225,94.964 2.225,95.1 2.431,95.1 2.875,95.544 2.875,97.416 3.359,97.9 3.353,97.9 3.353,97.994 4,98.641 4,102.745 5.93,104.675 v1(7.425,104.675)
NANO_VSIM: C2.1 C3.1 C4.1 D1.6 P1.C1 U2.15 | length 25.9
  L1 w0.203: v1(3.431,97.007) 3.466,96.973 3.611,96.973 U2.15@3.611,96.275
  L1 w0.305: C4.1@2.499,104.45 2.499,104.465 2.563,104.529 2.607,104.573 C4.1@2.622,104.573
  L1 w0.381: C2.1@2.499,103.575 C2.1@2.563,103.639 ; C3.1@2.525,102.675 2.563,102.713 C2.1@2.563,103.639 ; v1(2.602,105.079) 2.563,105.041 2.563,104.529 C2.1@2.563,103.725 ; D1.6@3.975,103.725 D1.6@3.6,103.725 C2.1@2.563,103.725 ; C2.1@2.563,103.639 C2.1@2.563,103.725
  L1 w0.635: P1.C1@1.045,113.35 1.128,113.433 1.711,113.433 1.879,113.6 v1(1.996,113.6)
  L3 w0.305: v1@2.775,105.079 2.775,99.2 1.65,98.075 1.65,97.375 2.225,96.8 3.135,96.8 3.342,97.007 v1(3.431,97.007)
  L4 w0.635: v1(1.996,113.6) 2.35,113.6 3.3,112.65 3.3,105.777 v1(2.602,105.079)
NetA1_1: A1.1 Z1.2 Z2.2 | length 4.2
  L1 w0.3: Z1.2@34.993,101.129 35.025,101.097 Z2.2@35.803,101.097
  L1 w0.391: Z1.2@35.015,101.132 v1(35.015,103.375)
  L6 w0.3: A1.1@35,104.5 35,103.39 v1(35.015,103.375)
NetA2_1: A2.1 D18.1 SWC1.A | length 3.5
  L1 w0.391: A2.1@34,43 34,42.987 36.7,42.987 SWC1.A@37.51,42.987